# Altium PCB Evaluation Board.PcbDoc (part 7 of 22)
Units mm, origin at the board's own origin, x right, y up, seen from the top; angles counter-clockwise.
Board outline 200 x 200 mm, 4 copper layers (Top Layer, GND, Power, Bottom Layer), stack 1.56 mm thick; 639 components, 758 nets, 3043 pads, 1306 vias.
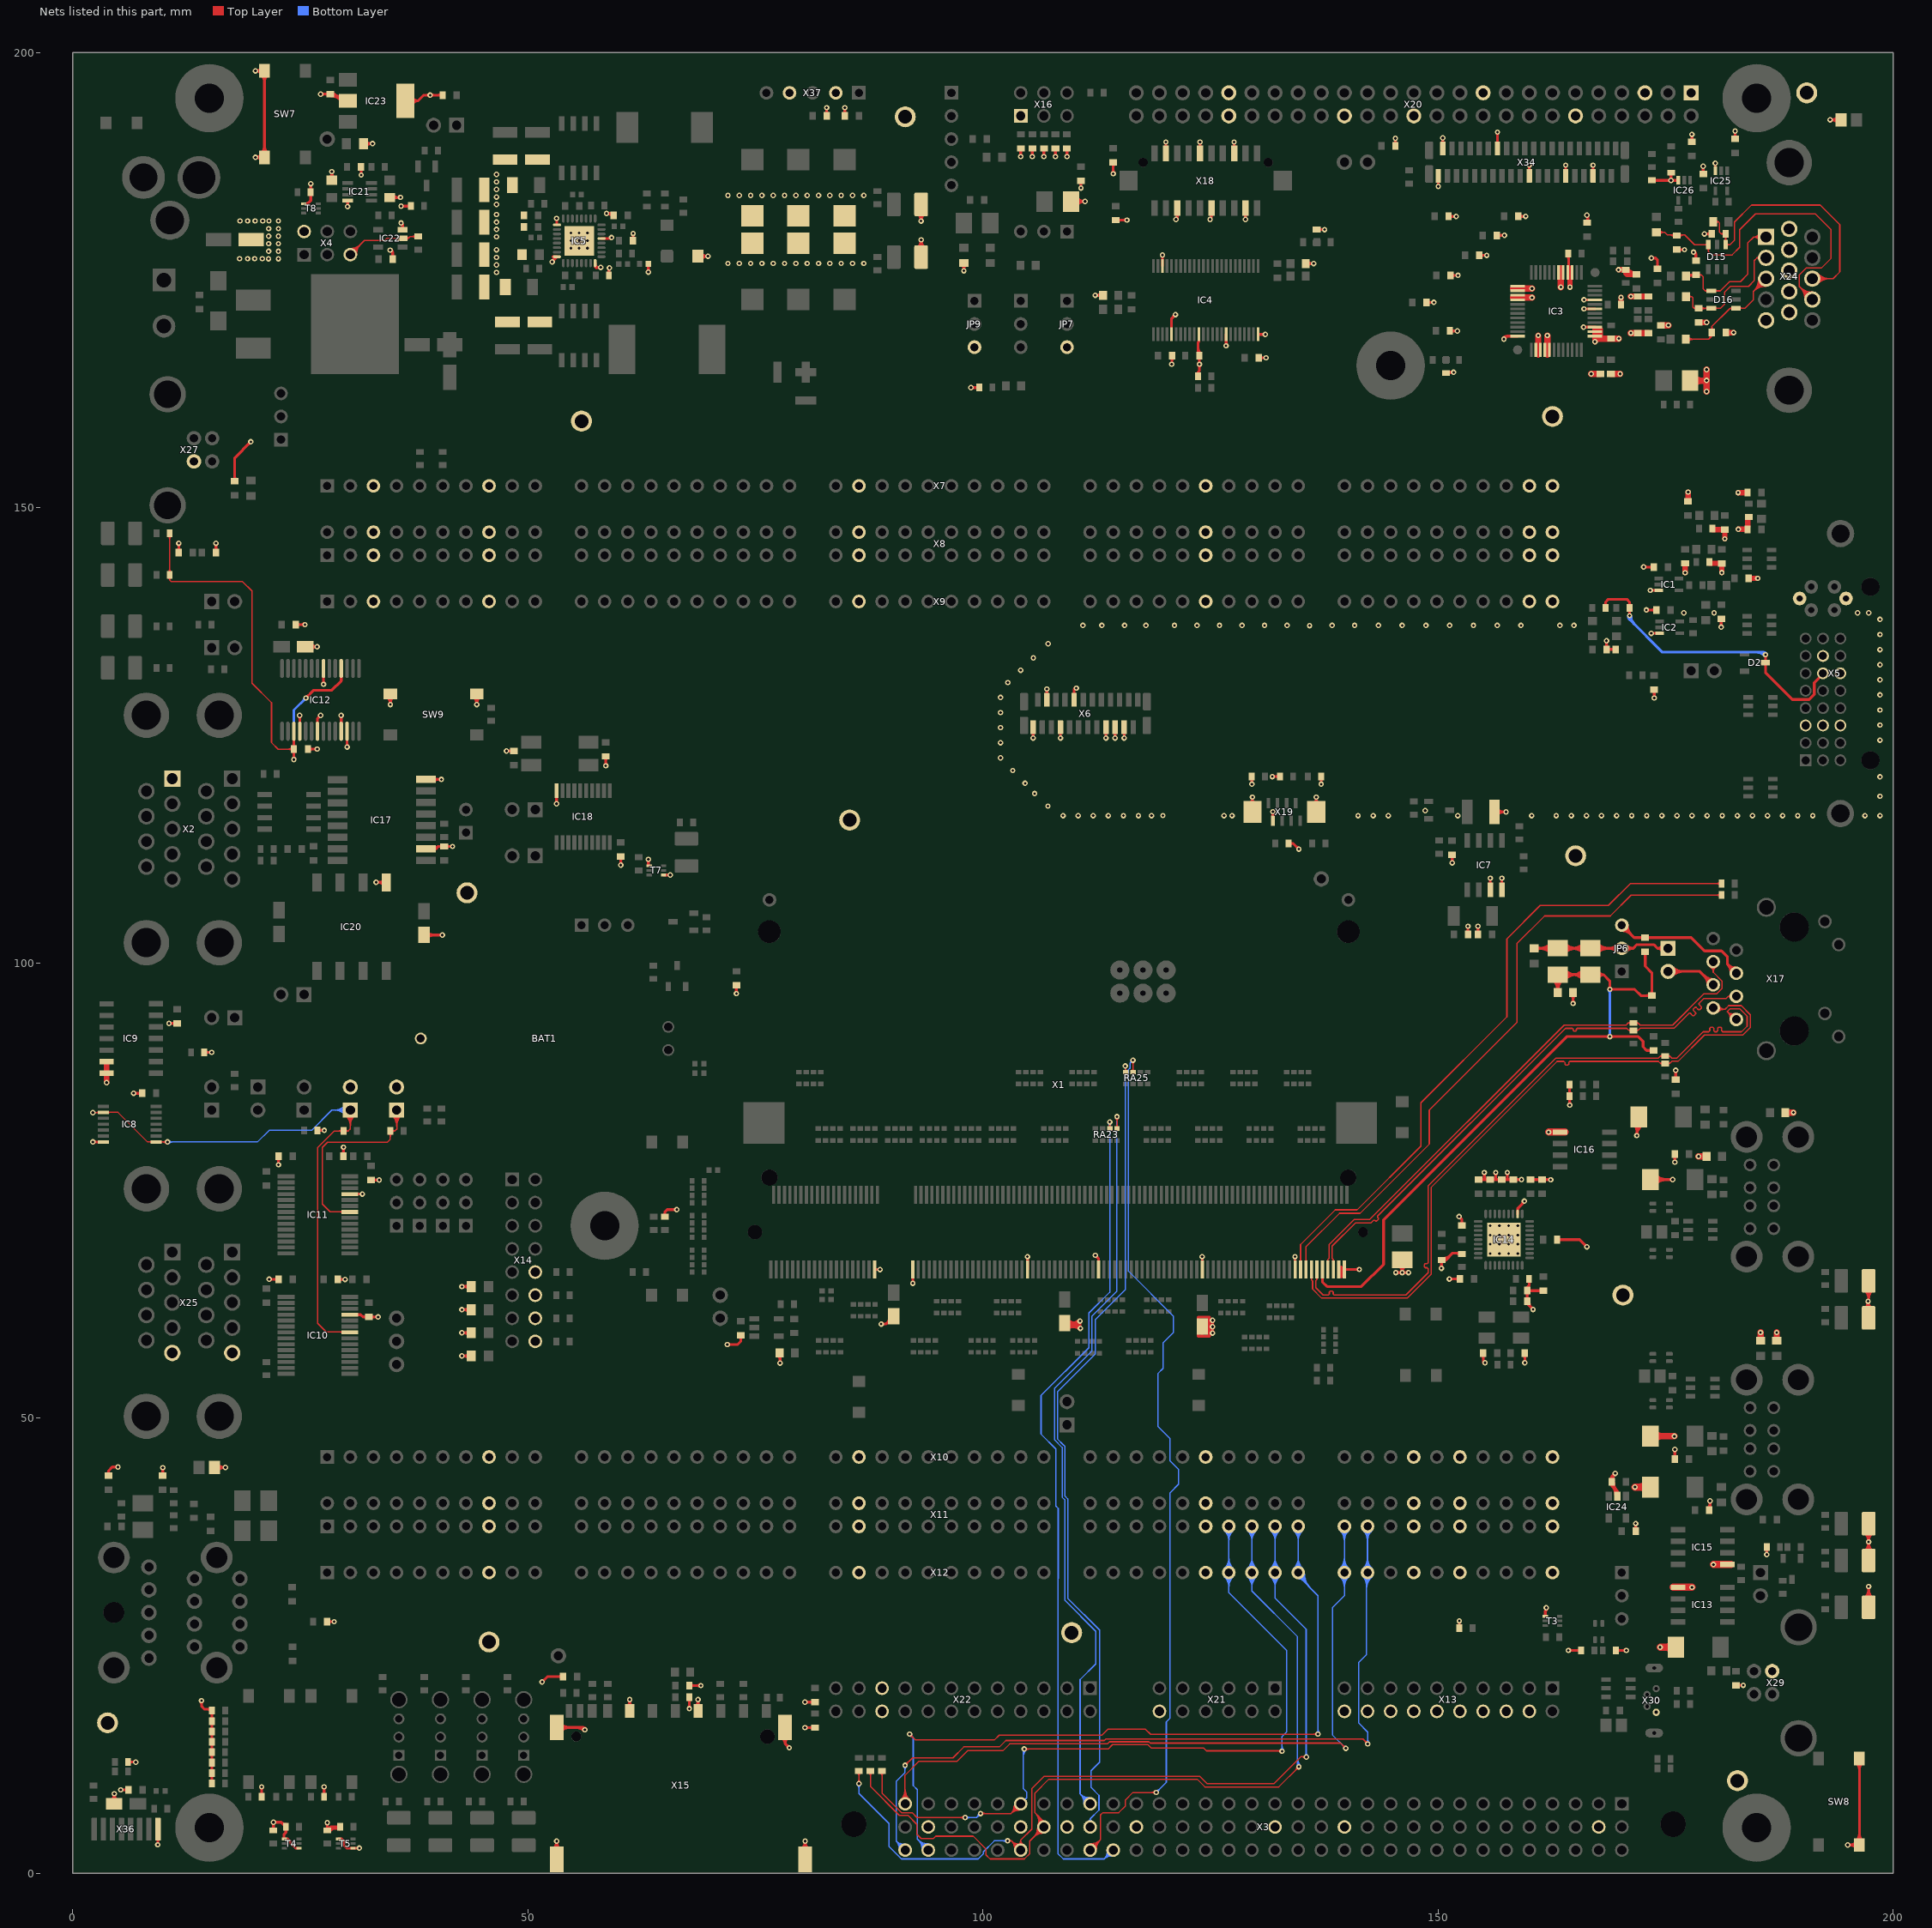
[diagram p9: the nets of this part, all layers, seen from the top]

## Via types
v1: diameter 0.6, hole 0.3, Top Layer to Bottom Layer, 1222 vias
v2: diameter 0.6, hole 0.3, Top Layer to Bottom Layer, tented both sides, 84 vias

## Nets (pads, with @x,y where several pads share a name; then routed paths per layer and width w, separated by ;. In a path a pad name is that pad's centre, name@x,y a point inside that pad or via, vN(x,y) a via of type N, cw(c..) or ccw(c..) an arc to the next point about the centre after c; other vN are vias at no path point) (continued)
DQM_0: RA23.7 X3.C23 | length 97.8
  Top Layer w0.15: RA23.7@113.795,81.916 ccw(c113.496,82.215) 113.919,82.215 ccw(c114.341,82.215) RA23.7@114.043,81.916 ; RA23.7@113.919,81.793 v1(113.919,82.525)
  Bottom Layer w0.15: X3.C23@113.63,2.456 cw(c112.568,2.322) 113.325,1.565 ; v1@113.76,82.366 cw(c113.376,81.981) 113.919,81.981 cw(c114.462,81.981) v1@114.078,82.366 ; X3.C23@113.779,2.474 cw(c112.953,2.371) 113.542,1.782 cw(c114.131,1.193) X3.C23@114.234,2.019 ; v1(113.919,82.525) 113.919,63.819 111.625,61.525 111.625,57.725 106.375,52.475 106.375,48.232 108,46.607 108,40.325 108.255,40.07 108.255,32.368 108.245,32.358 108.245,2.136 108.816,1.565 113.325,1.565 ; X3.C23@113.928,2.493 cw(c113.338,2.419) 113.758,1.998 cw(c114.179,1.578) X3.C23@114.253,2.168 ; X3.C23@114.216,1.87 ccw(c114.082,0.808) 113.325,1.565 ; X3.C23@114.3,2.54 113.325,1.565
DQM_1: RA23.8 X3.A24 | length 90.6
  Top Layer w0.15: v1@114.56,82.95 cw(c114.176,82.566) 114.719,82.566 cw(c115.262,82.566) v1@114.878,82.95 ; RA23.8@114.595,81.916 ccw(c114.296,82.215) 114.719,82.215 ccw(c115.141,82.215) RA23.8@114.843,81.916 ; RA23.8@114.719,81.793 v1(114.719,83.109)
  Bottom Layer w0.15: X3.A24@111.085,7.644 ccw(c109.641,7.695) 110.663,8.717 ; X3.A24@111.235,7.639 ccw(c110.112,7.678) 110.907,8.473 ccw(c111.702,9.268) X3.A24@111.741,8.145 ; X3.A24@111.385,7.633 ccw(c110.583,7.662) 111.151,8.229 ccw(c111.718,8.797) X3.A24@111.747,7.995 ; X3.A24@111.736,8.295 cw(c111.685,9.739) 110.663,8.717 ; X3.A24@111.76,7.62 110.663,8.717 ; v1@114.56,82.95 cw(c114.206,82.596) 114.706,82.596 ; 114.706,82.536 cw(c115.292,82.536) v1@114.878,82.95 ; v1(114.719,83.109) 114.706,83.096 114.706,63.931 111.975,61.2 111.975,57.4 107.87,53.295 107.87,47.586 108.685,46.771 108.685,41.302 109,40.987 109,29.951 112.375,26.576 112.375,22.987 110.663,21.275 110.663,8.717
DQM_2: RA25.5 X3.B24 | length 92
  Top Layer w0.15: RA25.5@115.548,88.114 ccw(c115.249,88.413) 115.672,88.413 ccw(c116.094,88.413) RA25.5@115.795,88.114 ; v1@115.568,88.618 cw(c115.317,88.368) 115.672,88.368 ; v1(115.621,88.671) 115.672,88.621 RA25.5@115.672,87.99
  Bottom Layer w0.15: X3.B24@111.585,5.732 ccw(c111.524,5.96) 111.76,5.96 ; X3.B24@111.76,5.08 111.76,5.96 ; X3.B24@111.935,5.732 cw(c111.996,5.96) 111.76,5.96 ; v1(115.621,88.671) 115.621,64.096 112.35,60.825 112.35,57.05 108.17,52.87 108.17,47.71 108.809,47.071 108.985,46.895 108.985,41.426 109.3,41.111 109.3,30.199 112.8,26.699 112.8,12.2 111.85,11.25 111.85,9.435 112.735,8.55 112.735,6.935 111.76,5.96
DQM_3: RA25.6 X3.C24 | length 108.3
  Top Layer w0.15: X3.C24@111.76,2.54 112.903,3.683 ; X3.C24@111.762,2.915 ccw(c111.767,3.803) 112.395,3.175 ccw(c113.023,2.547) X3.C24@112.135,2.542 ; X3.C24@111.763,3.065 ccw(c111.77,4.308) 112.649,3.429 ccw(c113.528,2.55) X3.C24@112.285,2.543 ; X3.C24@111.764,3.215 ccw(c111.773,4.813) 112.903,3.683 ; X3.C24@112.435,2.544 cw(c114.033,2.553) 112.903,3.683 ; v1@116.312,89.147 cw(c115.928,88.763) 116.472,88.763 cw(c117.015,88.763) v1@116.631,89.147 ; RA25.6@116.348,88.114 ccw(c116.049,88.413) 116.472,88.413 ccw(c116.894,88.413) RA25.6@116.595,88.114 ; RA25.6@116.472,87.99 v1(116.472,89.306) ; v2@118.865,8.706 ccw(c118.481,8.321) 118.481,8.865 ccw(c118.481,9.408) v2@118.865,9.024 ; v2(119.024,8.865) 116.459,8.865 115.621,8.026 115.621,7.366 114.9,6.645 113.147,6.645 112.903,6.401 112.903,3.683
  Bottom Layer w0.15: v1@116.248,89.279 cw(c115.892,89.235) 116.146,88.981 ; v1@116.444,89.083 ccw(c116.4,88.727) 116.146,88.981 ; v1(116.472,89.306) 116.146,88.981 ; v2(119.024,8.865) 120.13,9.97 120.13,16.623 120.548,17.042 120.548,41.798 121.48,42.73 121.48,44.357 120.516,45.321 120.516,47.784 119.2,49.1 119.2,54.872 119.775,55.447 119.775,58.25 120.921,59.396 120.921,61.177 115.975,66.123 115.975,88.283 116.146,88.454 116.146,88.981 ; v2@119.024,9.09 ccw(c119.024,9.633) 119.408,9.249 ccw(c119.793,8.865) v2@119.249,8.865
DVI_5V: D2.3 R17.1 R19.1 X5.14 | length 40.7
  Top Layer w0.3: R19.1@168.274,139.231 ccw(c167.975,139.53) 168.398,139.53 ccw(c168.82,139.53) R19.1@168.521,139.231 ; R19.1@168.398,139.032 R19.1@168.398,139.007 168.398,139.648 168.7,139.95 170.726,139.95 171.029,139.648 R17.1@171.029,139.007 v1(171.029,138.142) ; R17.1@170.905,138.783 cw(c170.606,138.485) 171.029,138.485 cw(c171.451,138.485) R17.1@171.152,138.783 ; R17.1@170.905,139.231 ccw(c170.606,139.53) 171.029,139.53 ccw(c171.451,139.53) R17.1@171.152,139.231 ; D2.3@185.86,132.89 cw(c185.604,132.634) 185.966,132.634 cw(c186.328,132.634) D2.3@186.072,132.89 ; D2.3@185.86,133.103 ccw(c185.604,133.359) 185.966,133.359 ccw(c186.328,133.359) D2.3@186.072,133.103 ; v1@185.86,133.755 cw(c185.604,133.499) 185.966,133.499 cw(c186.328,133.499) v1@186.072,133.755 ; v1(185.966,133.862) D2.3@185.966,132.997 185.966,131.884 188.912,128.938 190.754,128.938 191.32,129.504 191.32,130.772 192.28,131.732 X5.14@192.28,131.808
  Bottom Layer w0.3: v1@170.879,138.142 ccw(c171.503,138.142) 171.061,137.701 ; v1@170.922,138.036 cw(c170.666,137.78) 171.029,137.78 cw(c171.391,137.78) v1@171.135,138.036 ; v1(171.029,138.142) 171.029,137.734 174.637,134.125 185.703,134.125 v1(185.966,133.862) ; v1@171.179,138.142 ccw(c172.527,138.142) 171.573,137.189 ; 184.968,134.125 cw(c184.968,132.863) v1@185.86,133.755 ; 185.692,134.125 cw(c185.692,133.588) v1@186.072,133.968
ETH_AGND: C45.1 C46.1 C47.1 C48.2 C49.2 L11.2 X1.191 | length 99.8
  Top Layer w0.3: X1.191@137.282,66.316 137.282,64.953 137.795,64.44 141.565,64.44 144,66.875 144,71.775 164.125,91.9 171.981,91.9 172.517,91.364 172.517,90.78 172.911,90.386 C45.1@173.66,90.386 ; C48.2@162.614,98.172 cw(c161.334,96.892) 163.144,96.892 cw(c164.955,96.892) C48.2@163.675,98.172 ; C48.2@162.826,98.384 cw(c162.058,97.616) 163.144,97.616 cw(c164.231,97.616) C48.2@163.462,98.384 ; L11.2@162.943,97.015 ccw(c162.456,97.502) 163.144,97.502 ccw(c163.832,97.502) L11.2@163.346,97.015 ; L11.2@163.144,96.749 C48.2@163.144,98.702 C49.2@166.726,98.702 168.176,98.702 ; C48.2@163.687,98.384 cw(c164.456,97.616) 164.456,98.702 cw(c164.456,99.789) C48.2@163.687,99.02 ; C48.2@163.9,98.172 cw(c165.18,96.892) 165.18,98.702 cw(c165.18,100.513) C48.2@163.9,99.233 ; C49.2@165.97,98.172 ccw(c164.69,96.892) 164.69,98.702 ccw(c164.69,100.513) C49.2@165.97,99.233 ; C49.2@166.182,98.384 ccw(c165.414,97.616) 165.414,98.702 ccw(c165.414,99.789) C49.2@166.182,99.02 ; C49.2@167.619,98.361 cw(c168.176,98.077) 168.176,98.702 ; C49.2@167.619,99.043 ccw(c168.176,99.328) 168.176,98.702 ; v1@168.753,91.794 ccw(c168.497,91.538) 168.497,91.9 ccw(c168.497,92.262) v1@168.753,92.006 ; v1@168.753,97.2 ccw(c168.497,97.456) 168.859,97.456 ccw(c169.221,97.456) 168.965,97.2 ccw(c169.221,97.456) 169.221,97.094 ccw(c169.221,96.732) v1@168.965,96.988 ; v1@168.965,91.794 cw(c169.221,91.538) 169.221,91.9 cw(c169.221,92.262) v1@168.965,92.006 ; C47.1@172.604,101.09 cw(c172.263,100.749) 172.745,100.749 cw(c173.228,100.749) C47.1@172.887,101.09 ; C47.1@172.745,101.231 172.745,99.644 173.469,98.921 C46.1@173.469,96.397 172.284,96.397 171.587,97.094 v1(168.859,97.094) 168.859,98.019 168.176,98.702 ; C46.1@173.253,96.256 ccw(c172.911,95.915) 172.911,96.397 ccw(c172.911,96.88) C46.1@173.253,96.539 ; C46.1@173.328,96.539 ccw(c172.986,96.88) 173.469,96.88 ccw(c173.952,96.88) C46.1@173.61,96.539 ; C45.1@173.443,90.244 ccw(c173.102,89.903) 173.102,90.386 ccw(c173.102,90.868) C45.1@173.443,90.527
  Bottom Layer w0.3: v1@168.753,92.006 ccw(c168.497,92.262) 168.859,92.262 ccw(c169.221,92.262) v1@168.965,92.006 ; v1@168.753,96.988 cw(c168.497,96.732) 168.859,96.732 cw(c169.221,96.732) v1@168.965,96.988 ; v1(168.859,91.9) v1(168.859,97.094)
ETH_AVCC: C48.1 C49.1 JP3.1 JP6.2 L10.2 | length 39.7
  Top Layer w0.3: L10.2@160.561,101.602 C48.1@163.144,101.602 C49.1@166.472,101.602 ; L10.2@160.828,101.401 cw(c161.314,100.914) 161.314,101.602 cw(c161.314,102.29) L10.2@160.828,101.804 ; C48.1@162.389,101.072 ccw(c161.109,99.792) 161.109,101.602 ccw(c161.109,103.413) C48.1@162.389,102.133 ; C48.1@162.601,101.284 ccw(c161.833,100.516) 161.833,101.602 ccw(c161.833,102.689) C48.1@162.601,101.92 ; C48.1@163.687,101.284 cw(c164.456,100.516) 164.456,101.602 cw(c164.456,102.689) C48.1@163.687,101.92 ; C48.1@163.9,101.072 cw(c165.18,99.792) 165.18,101.602 cw(c165.18,103.413) C48.1@163.9,102.133 ; C49.1@165.97,101.072 ccw(c164.69,99.792) 164.69,101.602 ccw(c164.69,103.413) C49.1@165.97,102.133 ; C49.1@166.182,101.284 ccw(c165.414,100.516) 165.414,101.602 ccw(c165.414,102.689) C49.1@166.182,101.92 ; C49.1@166.548,101.594 170.174,101.594 JP6.2@170.18,101.6 171.425,101.6 ; C49.1@167.269,101.284 cw(c168.018,100.535) 168.018,101.594 ; C49.1@167.269,101.92 ccw(c168.056,102.708) 168.056,101.594 ; C49.1@167.481,101.072 cw(c168.742,99.811) 168.742,101.594 ; C49.1@167.481,102.133 ccw(c168.781,103.432) 168.781,101.594 ; 168.717,101.594 ccw(c168.717,103.063) JP6.2@169.756,102.024 ; 168.745,101.594 cw(c168.745,100.165) JP6.2@169.756,101.176 ; JP6.2@170.649,101.226 cw(c171.425,100.609) 171.425,101.6 ; JP6.2@170.649,101.974 ccw(c171.425,102.591) 171.425,101.6 ; JP3.1@174.675,101.263 ccw(c174.092,100.926) 174.092,101.6 ; JP3.1@174.675,101.937 cw(c174.092,102.274) 174.092,101.6 ; JP3.1@175.26,101.6 174.092,101.6 ; 171.425,101.6 171.831,102.006 172.745,102.006 173.685,102.006 174.092,101.6
ETH_CT_RX: C47.2 JP6.3 X17.5 | length 21.1
  Top Layer w0.3: JP6.3@170.18,103.54 cw(c170.18,102.091) 171.204,103.116 cw(c172.229,104.14) JP6.3@170.78,104.14 ; JP6.3@170.18,104.14 171.539,102.781 C47.2@172.745,102.781 177.812,102.781 179.273,101.321 181.127,101.321 181.788,100.66 181.788,99.834 ; C47.2@172.529,102.64 ccw(c172.188,102.299) 172.188,102.781 ccw(c172.188,103.264) C47.2@172.529,102.923 ; C47.2@172.962,102.64 cw(c173.303,102.299) 173.303,102.781 cw(c173.303,103.264) C47.2@172.962,102.923 ; X17.5@182.161,98.884 ccw(c180.886,98.932) 181.788,99.834 ; X17.5@182.738,99.461 cw(c182.69,100.736) 181.788,99.834 ; X17.5@182.76,98.862 181.788,99.834
ETH_CT_TX: JP3.2 X17.4 | length 11.8
  Top Layer w0.3: JP3.2@175.26,99.06 178.752,99.06 X17.4@180.22,97.592 ; JP3.2@175.525,98.795 cw(c176.165,98.155) 176.165,99.06 cw(c176.165,99.965) JP3.2@175.525,99.325 ; JP3.2@175.737,98.583 cw(c176.89,97.43) 176.89,99.06 cw(c176.89,100.69) JP3.2@175.737,99.537 ; X17.4@179.62,97.592 ccw(c178.172,97.592) 179.196,98.616 ccw(c180.22,99.64) X17.4@180.22,98.192
ETH_LINK_ACT: R24.1 X1.183 | length 74.5
  Top Layer w0.15: X1.183@134.811,67.212 ccw(c134.641,67.383) 134.882,67.383 ccw(c135.123,67.383) X1.183@134.953,67.212 ; X1.183@134.882,66.316 134.882,69.057 138.7,72.875 141.101,72.875 148.1,79.874 148.1,84.625 157.556,94.082 157.556,102.641 161.214,106.299 168.705,106.299 171.118,108.712 R24.1@181.139,108.712 ; R24.1@180.962,108.535 ccw(c180.535,108.108) 180.535,108.712 ccw(c180.535,109.316) R24.1@180.962,108.889
ETH_RXI_N: R23.1 X1.193 X17.6 | length 65.1
  Top Layer w0.152: X1.193@137.812,67.211 ccw(c137.643,67.38) 137.882,67.38 ccw(c138.121,67.38) X1.193@137.952,67.211 ; X1.193@137.882,66.316 137.882,67.412 138.004,67.534 138.004,69.032 140.772,71.8 142.469,71.8 163.836,93.167 170.65,93.167 170.88,93.397 ; R23.1@171.144,93.258 ccw(c170.88,93.078) 170.88,93.397 ; R23.1@171.144,93.537 cw(c170.88,93.716) 170.88,93.397 ; R23.1@171.771,93.284 cw(c171.958,93.187) 171.958,93.397 ; R23.1@171.771,93.511 ccw(c171.958,93.608) 171.958,93.397 ; X17.6@179.887,99.546 cw(c179.56,98.972) 180.22,98.972 ; X17.6@179.962,99.679 cw(c179.709,99.235) 180.22,99.235 cw(c180.731,99.235) X17.6@180.478,99.679 ; X17.6@180.22,100.132 180.22,98.972 ; X17.6@180.554,99.546 ccw(c180.881,98.972) 180.22,98.972 ; 170.88,93.397 R23.1@171.45,93.397 171.958,93.397 ; 171.958,93.397 172.186,93.17 175.771,93.17 179.216,96.616 180.624,96.616 181.196,97.187 181.196,97.996 180.22,98.972
ETH_RXI_P: R22.2 X1.195 X17.3 | length 63.1
  Top Layer w0.152: X1.195@138.412,67.211 ccw(c138.243,67.38) 138.482,67.38 ccw(c138.721,67.38) X1.195@138.552,67.211 ; X1.195@138.482,66.316 138.482,67.412 138.36,67.534 138.36,68.885 140.919,71.444 142.616,71.444 142.901,71.729 143.029,71.729 143.116,71.642 143.244,71.642 143.436,71.833 143.436,71.961 143.348,72.049 143.348,72.177 163.983,92.812 164.313,92.812 164.489,92.812 164.753,92.812 164.841,92.724 164.841,92.595 164.929,92.507 165.105,92.507 165.194,92.595 165.194,92.724 165.282,92.812 166.497,92.812 170.717,92.812 170.942,92.587 ; R22.2@171.129,92.473 ccw(c170.942,92.377) 170.942,92.587 ; R22.2@171.129,92.701 cw(c170.942,92.797) 170.942,92.587 ; R22.2@171.771,92.473 cw(c171.958,92.377) 171.958,92.587 ; R22.2@171.771,92.701 ccw(c171.958,92.797) 171.958,92.587 ; X17.3@182.113,96.135 ccw(c181.864,96.063) 181.864,96.322 ; X17.3@182.113,96.509 cw(c181.864,96.581) 181.864,96.322 ; X17.3@182.76,96.322 181.864,96.322 ; 170.942,92.587 R22.2@171.45,92.587 171.958,92.587 ; 171.958,92.587 172.186,92.814 175.918,92.814 177.16,94.056 177.32,94.216 177.576,94.472 177.704,94.472 177.967,94.208 178.095,94.208 178.287,94.4 178.287,94.528 178.024,94.792 178.024,94.92 178.216,95.112 178.344,95.112 178.607,94.848 178.735,94.848 178.927,95.04 178.927,95.168 178.663,95.432 178.663,95.56 178.966,95.862 179.194,96.091 181.633,96.091 181.864,96.322
ETH_SPEED: R25.1 X1.185 | length 72.7
  Top Layer w0.15: X1.185@135.411,67.212 ccw(c135.241,67.383) 135.482,67.383 ccw(c135.723,67.383) X1.185@135.553,67.212 ; X1.185@135.482,66.316 135.482,68.808 139.165,72.492 141.427,72.492 149.024,80.088 149.024,83.822 158.643,93.442 158.643,102.103 161.698,105.158 168.912,105.158 171.196,107.442 R25.1@181.139,107.442 ; R25.1@180.962,107.265 ccw(c180.535,106.838) 180.535,107.442 ccw(c180.535,108.046) R25.1@180.962,107.619
ETH_TX0_N: R21.1 X1.187 X17.2 | length 80.4
  Top Layer w0.152: X1.187@136.012,65.422 cw(c135.843,65.253) 136.082,65.253 cw(c136.321,65.253) X1.187@136.152,65.422 ; X1.187@136.082,66.316 136.082,65.172 136.204,65.05 136.204,64.166 137.2,63.17 146.604,63.17 149.25,65.817 149.25,75.362 163.071,89.182 163.274,89.182 163.49,89.182 163.814,89.182 163.923,89.074 163.923,88.869 164.031,88.761 164.247,88.761 164.355,88.869 164.355,89.074 164.463,89.182 164.874,89.182 174.193,89.182 ; 174.19,89.179 174.193,89.182 ; R21.1@174.607,88.841 ccw(c174.42,88.745) 174.42,88.955 ; R21.1@174.607,89.069 cw(c174.42,89.165) 174.42,88.955 ; R21.1@175.249,88.841 cw(c175.436,88.745) 175.436,88.955 ; R21.1@175.249,89.069 ccw(c175.436,89.165) 175.436,88.955 ; X17.2@180.22,95.052 180.38,94.892 181.511,94.892 ; X17.2@180.556,95.204 ccw(c181.039,95.421) 181.039,94.892 ; X17.2@180.589,94.683 cw(c181.093,94.179) 181.093,94.892 ; X17.2@180.695,95.266 ccw(c181.275,95.528) 181.275,94.892 ; X17.2@180.697,94.575 cw(c181.461,93.811) 181.461,94.892 ; X17.2@180.834,95.329 ccw(c181.511,95.634) 181.511,94.892 ; 174.193,89.182 174.42,88.955 ; 174.42,88.955 R21.1@174.928,88.955 175.436,88.955 ; 175.436,88.955 175.666,89.185 176.36,89.185 179.25,92.075 183.475,92.075 184.3,92.9 184.3,94.3 183.299,95.301 181.92,95.301 181.511,94.892
ETH_TX0_P: R20.2 X1.189 X17.1 | length 80.6
  Top Layer w0.152: X1.189@136.612,65.422 cw(c136.443,65.253) 136.682,65.253 cw(c136.921,65.253) X1.189@136.752,65.422 ; X1.189@136.682,66.316 136.682,65.221 136.56,65.099 136.56,64.313 137.347,63.525 137.82,63.525 137.928,63.525 138.037,63.633 138.037,63.839 138.145,63.947 138.361,63.947 138.469,63.839 138.469,63.633 138.577,63.525 141.656,63.525 146.456,63.525 148.895,65.964 148.895,66.294 148.895,66.402 148.787,66.51 148.582,66.51 148.474,66.618 148.474,66.834 148.582,66.943 148.787,66.943 148.895,67.051 148.895,68.529 148.895,75.509 162.923,89.537 ; 162.925,89.535 174.19,89.535 174.42,89.765 ; R20.2@174.607,89.651 ccw(c174.42,89.555) 174.42,89.765 ; R20.2@174.607,89.879 cw(c174.42,89.975) 174.42,89.765 ; R20.2@175.249,89.651 cw(c175.436,89.555) 175.436,89.765 ; R20.2@175.249,89.879 ccw(c175.436,89.975) 175.436,89.765 ; 181.946,94.457 ccw(c182.429,94.941) X17.1@182.617,94.283 ; 182.008,94.395 cw(c181.449,93.836) X17.1@182.239,93.803 ; X17.1@182.087,93.809 ccw(c180.977,93.855) 181.762,94.64 ; 182.129,94.274 ccw(c182.511,94.656) X17.1@182.659,94.137 ; X17.1@182.575,94.43 cw(c182.348,95.226) 181.762,94.64 ; X17.1@182.76,93.782 182.621,93.782 181.762,94.64 ; 174.42,89.765 175.436,89.765 ; 175.436,89.765 175.664,89.538 176.21,89.538 179.103,92.431 179.629,92.431 179.737,92.431 179.845,92.539 179.845,92.82 179.953,92.928 180.169,92.928 180.277,92.82 180.277,92.539 180.385,92.431 180.602,92.431 180.71,92.539 180.71,92.82 180.818,92.928 181.034,92.928 181.142,92.82 181.142,92.539 181.25,92.431 181.94,92.431 183.328,92.431 183.944,93.047 183.944,94.153 183.152,94.945 182.067,94.945 181.762,94.64
EXT_BLUE: C185.1 D16.1 L50.2 X24.3 | length 27.5
  Top Layer w0.15: L50.2@177.215,168.506 179.731,168.506 ; L50.2@177.363,168.357 cw(c177.722,167.999) 177.722,168.506 cw(c177.722,169.013) L50.2@177.363,168.654 ; L50.2@177.469,168.251 cw(c178.084,167.637) 178.084,168.506 cw(c178.084,169.375) L50.2@177.469,168.761 ; C185.1@179.825,169.058 cw(c179.389,168.848) 179.731,168.506 ; 179.881,168.656 ccw(c179.591,168.945) C185.1@179.96,169.123 ; C185.1@179.895,169.537 ccw(c179.566,169.925) 180.075,169.925 ; 180.03,168.805 ccw(c179.793,169.043) C185.1@180.096,169.188 ; C185.1@180.253,169.535 cw(c180.591,169.925) 180.075,169.925 ; 182.131,171.875 cw(c182.131,171.626) D16.1@182.307,171.802 ; D16.1@182.282,172.018 cw(c182.025,172.178) 182.025,171.875 ; D16.1@183.105,171.802 cw(c183.403,171.503) 183.403,171.926 cw(c183.403,172.348) D16.1@183.105,172.05 ; X24.3@185.205,175.161 cw(c183.225,175.157) 184.625,173.757 ; X24.3@185.355,175.161 cw(c183.735,175.158) 184.881,174.013 cw(c186.026,172.867) X24.3@186.029,174.487 ; X24.3@185.505,175.161 cw(c184.245,175.159) 185.136,174.268 cw(c186.027,173.377) X24.3@186.029,174.637 ; X24.3@185.655,175.161 cw(c184.755,175.16) 185.391,174.523 cw(c186.028,173.887) X24.3@186.029,174.787 ; X24.3@186.029,174.337 ccw(c186.025,172.357) 184.625,173.757 ; X24.3@186.03,175.162 184.625,173.757 ; 179.731,168.506 180.075,168.85 180.075,169.925 ; 180.075,169.925 182.025,171.875 ; 182.025,171.875 182.655,171.875 D16.1@182.706,171.926 183.726,171.926 184.625,172.825 184.625,173.757
EXT_CS_0#: R141.1 X3.A27 X11.A37 X12.37 | length 143
  Top Layer w0.15: R141.1@88.723,11.036 cw(c88.296,10.609) 88.9,10.609 cw(c89.504,10.609) R141.1@89.077,11.036 ; R141.1@88.9,11.213 88.9,8.781 91.036,6.645 92.204,6.645 92.733,6.116 v2(98.031,6.116) ; v2@97.872,5.957 ccw(c97.488,5.573) 97.488,6.116 ccw(c97.488,6.66) v2@97.872,6.275 ; v2(99.72,6.553) 103.073,6.553 ; X3.A27@104.14,7.62 103.073,6.553 ; v1(104.521,13.64) 113.735,13.64 114.228,14.132 118.106,14.132 118.505,13.733 124.246,13.733 124.542,13.437 132.838,13.437 132.85,13.424 v1(132.85,13.4) ; v1@104.68,13.481 cw(c105.064,13.097) 105.064,13.64 cw(c105.064,14.183) v1@104.68,13.799 ; 132.218,13.437 cw(c132.218,12.768) v1@132.691,13.241 ; 132.395,13.437 ccw(c132.395,13.855) v1@132.691,13.559 ; 100.264,6.553 cw(c100.264,7.096) 99.879,6.712 ccw(c100.264,7.096) 100.264,6.553 ; 100.264,6.553 ccw(c100.264,6.01) 99.879,6.394 cw(c100.264,6.01) 100.264,6.553 ; 103.073,6.553 cw(c104.027,5.6) X3.A27@104.102,6.946 ; 103.073,6.553 ccw(c102.12,7.507) X3.A27@103.466,7.582 ; 103.073,6.553 cw(c104.027,5.6) X3.A27@104.102,6.946 ; 103.073,6.553 ccw(c102.12,7.507) X3.A27@103.466,7.582 ; 103.073,6.553 ccw(c102.12,7.507) X3.A27@103.466,7.582 ; 103.073,6.553 cw(c104.027,5.6) X3.A27@104.102,6.946 ; 103.31,6.79 cw(c104.052,6.049) X3.A27@104.111,7.096 ; 103.31,6.79 ccw(c102.569,7.532) X3.A27@103.616,7.591 ; 103.31,6.79 cw(c104.052,6.049) X3.A27@104.111,7.096 ; 103.31,6.79 ccw(c102.569,7.532) X3.A27@103.616,7.591 ; 103.31,6.79 ccw(c102.569,7.532) X3.A27@103.616,7.591 ; 103.31,6.79 cw(c104.052,6.049) X3.A27@104.111,7.096 ; 103.346,7.008 cw(c104.44,6.779) X3.A27@104.064,7.832 ; 103.346,7.008 cw(c104.44,6.779) X3.A27@104.064,7.832 ; 103.346,7.008 cw(c104.44,6.779) X3.A27@104.064,7.832 ; 103.401,7.27 cw(c104.335,7.075) X3.A27@104.014,7.973 ; 103.401,7.27 cw(c104.335,7.075) X3.A27@104.014,7.973 ; 103.401,7.27 cw(c104.335,7.075) X3.A27@104.014,7.973 ; 103.506,7.065 cw(c104.304,6.898) X3.A27@104.123,7.693 ; 103.506,7.065 cw(c104.304,6.898) X3.A27@104.123,7.693 ; 103.506,7.065 cw(c104.304,6.898) X3.A27@104.123,7.693 ; 103.528,6.826 ccw(c103.299,7.92) X3.A27@104.352,7.544 ; 103.528,6.826 ccw(c103.299,7.92) X3.A27@104.352,7.544 ; 103.528,6.826 ccw(c103.299,7.92) X3.A27@104.352,7.544 ; 103.547,7.027 cw(c104.077,6.498) X3.A27@104.119,7.246 ; 103.547,7.027 ccw(c103.018,7.557) X3.A27@103.766,7.599 ; 103.547,7.027 cw(c104.077,6.498) X3.A27@104.119,7.246 ; 103.547,7.027 ccw(c103.018,7.557) X3.A27@103.766,7.599 ; 103.547,7.027 ccw(c103.018,7.557) X3.A27@103.766,7.599 ; 103.547,7.027 cw(c104.077,6.498) X3.A27@104.119,7.246 ; 103.585,6.986 ccw(c103.418,7.784) X3.A27@104.213,7.603 ; 103.585,6.986 ccw(c103.418,7.784) X3.A27@104.213,7.603 ; 103.585,6.986 ccw(c103.418,7.784) X3.A27@104.213,7.603 ; 103.79,6.881 ccw(c103.595,7.815) X3.A27@104.493,7.494 ; 103.79,6.881 ccw(c103.595,7.815) X3.A27@104.493,7.494 ; 103.79,6.881 ccw(c103.595,7.815) X3.A27@104.493,7.494